# Allegro board FEE5_10_30.brd (continued)
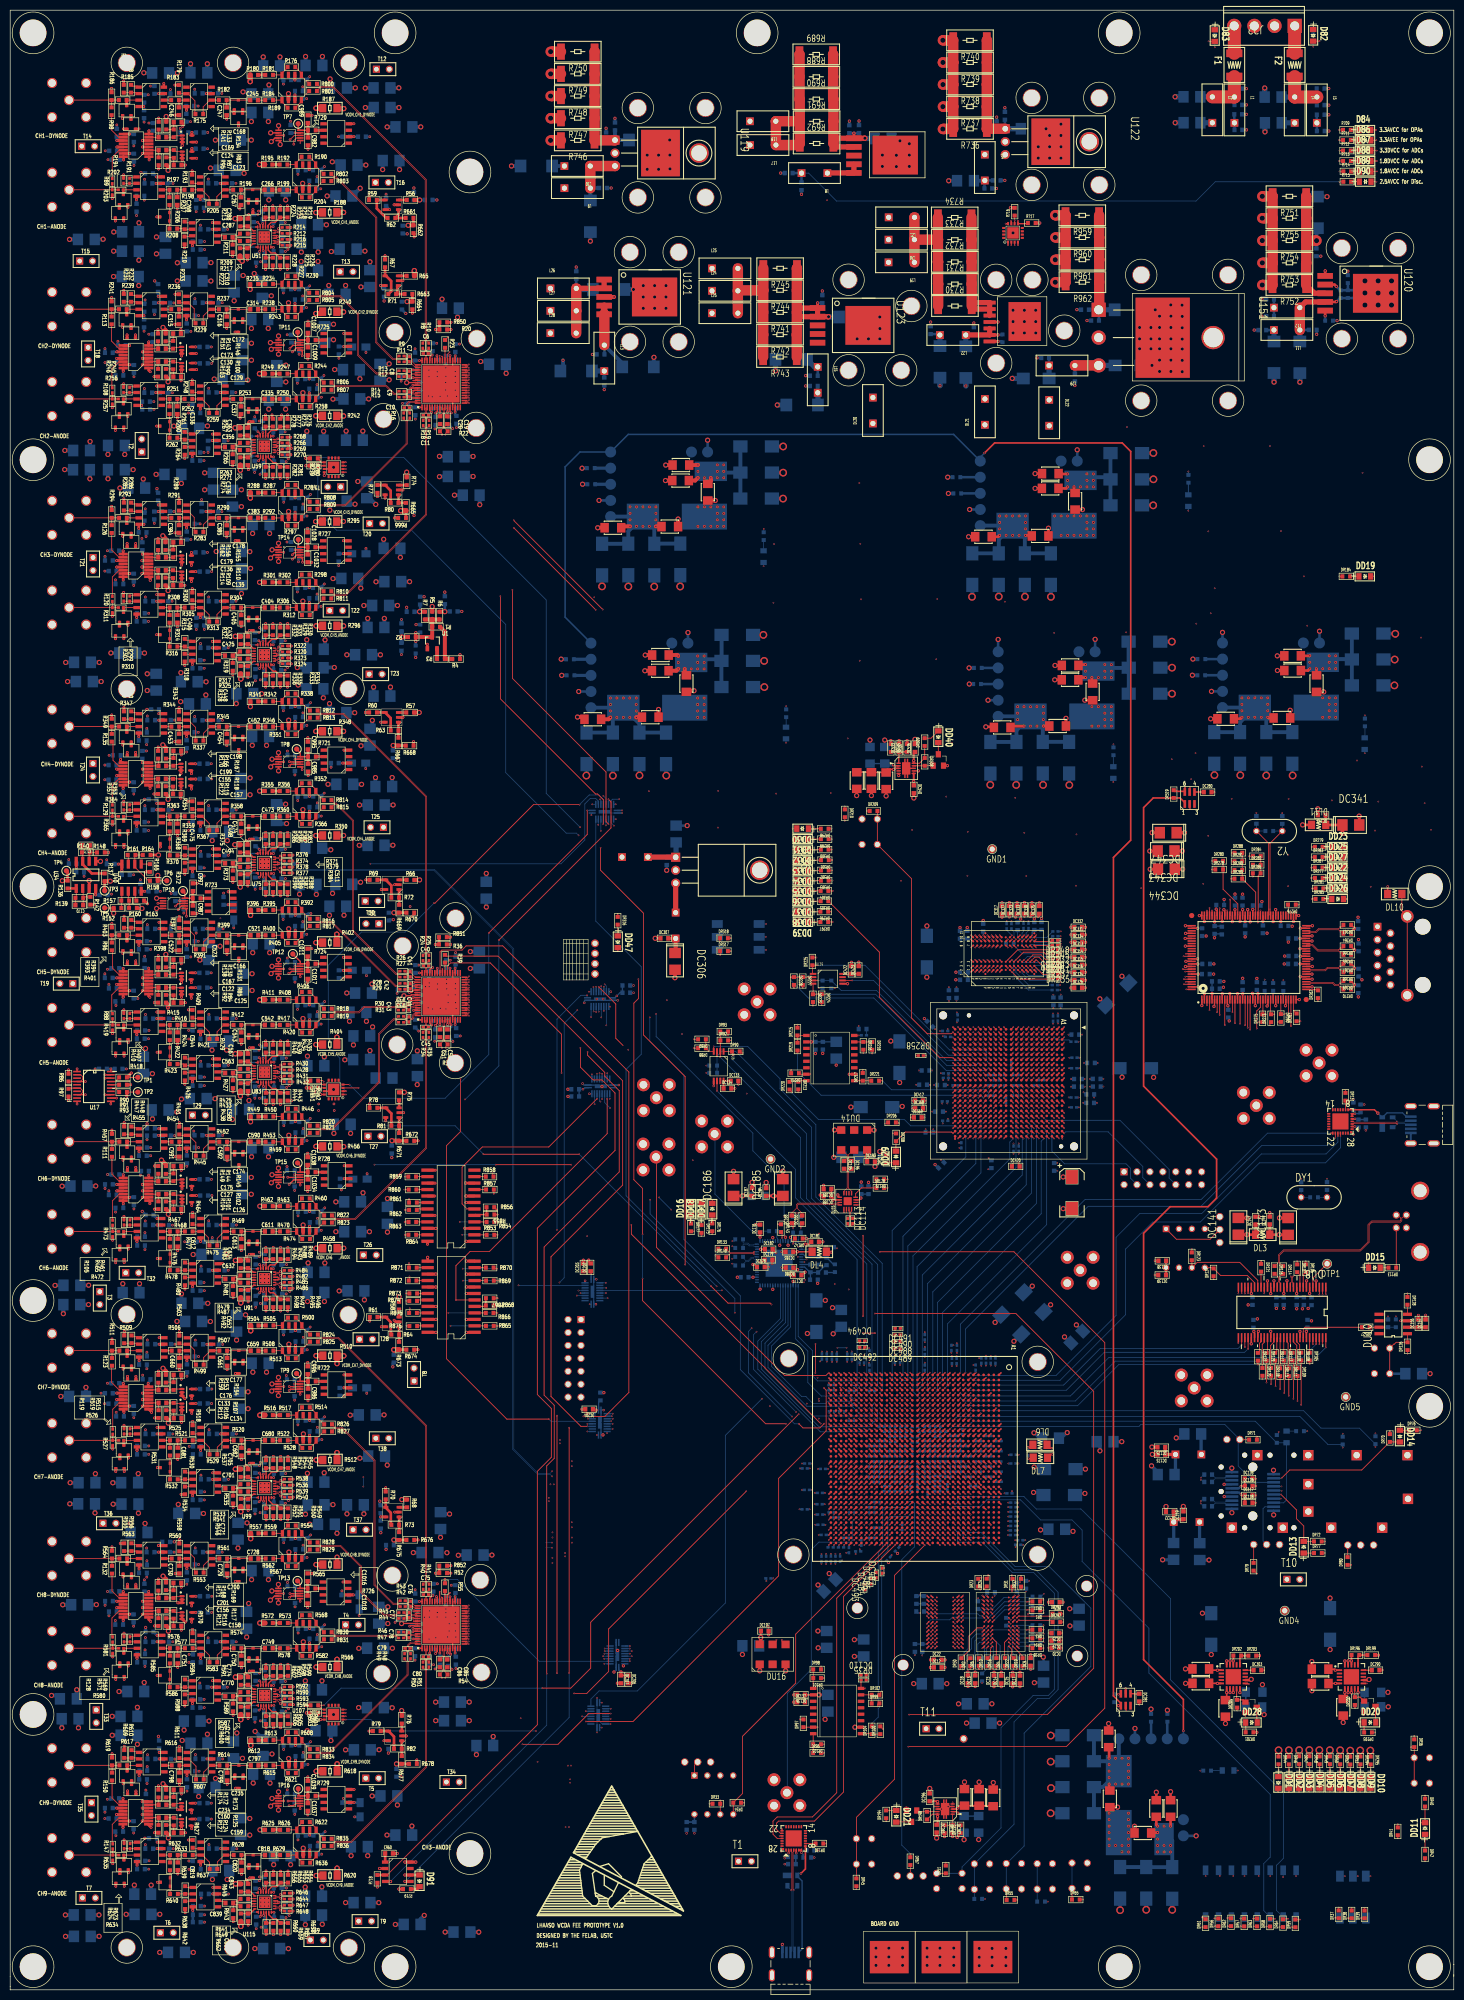
[diagram p0: board, top side]
## Nets (continued)
NC1: DU4.AN1(IO_L1P_T0_32)
NC1_2426805: DU4.H24(IO_L6N_T0_VREF_16)
NC2: DU4.L34(IO_L24N_T3_16)
NC30: DU4.T32(IO_L19P_T3_A22_15)
NC43: DU4.T30(IO_L14N_T2_SRCC_15)
OUT0+: DR132.2 DU13.56(OUT0)
OUT0-: DU13.55(O\U\T\0\)
OUT1+: DU13.53(OUT1)
OUT1-: DU13.52(O\U\T\1\)
OUT2+: DU13.51(OUT2)
OUT2-: DU13.50(O\U\T\2\)
OUT3+: DR164.2 DU13.48(OUT3)
OUT3-: DR170.2 DU13.47(O\U\T\3\)
OUT4+: DR133.2 DU13.45(OUT4)
OUT4-: DR140.2 DU13.44(O\U\T\4\)
OUT5+: DR145.2 DU13.43(OUT5)
OUT5-: DR151.2 DU13.42(O\U\T\5\)
OUT6+: DU13.33(OUT6)
OUT6-: DU13.34(O\U\T\6\)
OUT7+: DU13.36(OUT7)
OUT7-: DU13.37(O\U\T\7\)
OUT8+: DU13.38(OUT8)
OUT8-: DU13.39(O\U\T\8\)
OUT9+: DU13.25(OUT9)
OUT9-: DU13.26(O\U\T\9\)
OUT10+: DU13.28(OUT10)
OUT10-: DU13.29(O\U\T\10\)
OUT11+: DU13.30(OUT11)
OUT11-: DU13.31(O\U\T\11\)
PB_C: DR65.1 DSW9.1 DSW9.2 DU4.L29(IO_L18P_T2_16)
PB_E: DR54.1 DSW5.1 DSW5.2 DU4.G31(IO_L17N_T2_16)
PB_N: DR55.1 DSW6.1 DSW6.2 DU4.H31(IO_L17P_T2_16)
PB_S: DR60.1 DSW8.1 DSW8.2 DU4.J31(IO_L16N_T2_16)
PB_W: DR51.1 DSW4.1 DSW4.2 DU4.K31(IO_L16P_T2_16)
PDWN_ADC1: DU17.16(1Y1) U2.41(PDWN)
PDWN_ADC1_BUF: DU4.AA24(IO_L23P_T3_A03_D19_14) DU17.4(1A1)
PDWN_ADC2: DU20.18(1Y0) U3.41(PDWN)
PDWN_ADC2_BUF: DU4.W29(IO_L4N_T0_D05_14) DU20.2(1A0)
PDWN_ADC3: DU24.7(2Y1) U4.41(PDWN)
PDWN_ADC3_BUF: DU4.Y32(IO_L10P_T1_D14_14) DU24.13(2A1)
PHY_AVDD0: DC341.1 DC342.1 DC356.2 DC357.2 DC360.2 DC365.2 DL11.1 DU41.44(AVDD_44) DU41.49(AVDD_49) DU41.52(AVDD_52) DU41.59(AVDD_59) DU41.64(AVDD_64) DU41.104(AVDD_104) DU42.9(VCC)
PHY_COL: DU37.A2(IO_L3N_0 _A2) DU41.114(COL)
PHY_COMA: DR261.2 DU41.37(COMA)
PHY_CONFIG0: DR278.2 DR280.2 DU41.88(CONFIG0)
PHY_CONFIG4: DR288.2 DR289.2 DR290.2 DR291.2 DU41.81(CONFIG4)
PHY_CONFIG5: DR282.2 DR284.2 DR286.2 DU41.80(CONFIG5)
PHY_CRS: DU37.A3(IO_L5N_0 _A3) DU41.115(CRS)
PHY_INT: DR260.1 DU37.D19(IO_L62N_VREF_0 _D19) DU41.32(INT_B)
PHY_LED_DUPLEX: DD22.2(CATHODE) DR289.1 DU41.95(LED_DPLX)
PHY_LED_LINK10: DD23.2(CATHODE) DR284.1 DU41.100(LED_LINK10)
PHY_LED_LINK100: DD25.2(CATHODE) DU41.99(LED_LINK100)
PHY_LED_LINK1000: DD27.2(CATHODE) DR290.1 DU41.98(LED_LINK1000)
PHY_LED_RX: DD26.2(CATHODE) DU41.79(CONFIG6) DU41.92(LED_RX)
PHY_LED_TX: DD24.2(CATHODE) DU41.91(LED_TX)
PHY_MDC: DU37.G16(IO_L51P_0 _G16) DU41.35(MDC)
PHY_MDIO: DR259.1 DU37.H14(IO_L49P_0 _H14) DU41.33(MDIO)
PHY_MDIP0_N: DR269.2 DU41.42(MDI0_N) DU42.2(TD0_N)
PHY_MDIP0_P: DR270.2 DU41.41(MDI0_P) DU42.1(TD0_P)
PHY_MDIP1_N: DR267.2 DU41.47(MDI1_N) DU42.6(TD1_N)
PHY_MDIP1_P: DR268.2 DU41.46(MDI1_P) DU42.3(TD1_P)
PHY_MDIP2_N: DR266.2 DU41.57(MDI2_N) DU42.5(TD2_N)
PHY_MDIP2_P: DR265.2 DU41.56(MDI2_P) DU42.4(TD2_P)
PHY_MDIP3_N: DR263.2 DU41.62(MDI3_N) DU42.8(TD3_N)
PHY_MDIP3_P: DR264.2 DU41.61(MDI3_P) DU42.7(TD3_P)
PHY_RESET: DU37.A20(IO_L65N_SCP2_0 _A20) DU41.36(RESET_B)
PHY_RSET: DR262.2 DU41.39(RESET)
PHY_RXCLK: DU37.G9(IO_L34P_GCLK19_0 _G9) DU41.7(RXCLK)
PHY_RXCTL_RXDV: DU37.F9(IO_L32N_0 _F9) DU41.4(RXDV)
PHY_RXD0: DU37.F8(IO_L7N_0 _F8) DU41.3(RXD0)
PHY_RXD1: DU37.F7(IO_L7P_0 _F7) DU41.128(RXD1)
PHY_RXD2: DU37.E6(IO_L4N_0 _E6) DU41.126(RXD2)
PHY_RXD3: DU37.C5(IO_L8P_0 _C5) DU41.125(RXD3)
PHY_RXD4: DU37.A5(IO_L8N_VREF_0 _A5) DU41.124(RXD4)
PHY_RXD5: DU37.C4(IO_L6P_0 _C4) DU41.123(RXD5)
PHY_RXD6: DU37.A4(IO_L6N_0 _A4) DU41.121(RXD6)
PHY_RXD7: DU37.B3(IO_L5P_0 _B3) DU41.120(RXD7)
PHY_RXER: DU37.F10(IO_L34N_GCLK18_0 _F10) DU41.8(RXER)
PHY_TXC_GTXCLK: DU37.H13(IO_L38P_0 _H13) DU41.14(GTXCLK)
PHY_TXCLK: DU37.H12(IO_L35P_GCLK17_0 _H12) DU41.10(TXCLK)
PHY_TXCTL_TXEN: DU37.G13(IO_L38N_VREF_0 _G13) DU41.16(TXEN)
PHY_TXD0: DU37.F14(IO_L36P_GCLK15_0 _F14) DU41.18(TXD0)
PHY_TXD1: DU37.F15(IO_L36N_GCLK14_0 _F15) DU41.19(TXD1)
PHY_TXD2: DU37.E16(IO_L37P_GCLK13_0 _E16) DU41.20(TXD2)
PHY_TXD3: DU37.D17(IO_L66P_SCP1_0 _D17) DU41.24(TXD3)
PHY_TXD4: DR275.2 DU37.C17(IO_L50P_0 _C17) DU41.25(TXD4)
PHY_TXD5: DR274.2 DU37.A17(IO_L50N_0 _A17) DU41.26(TXD5)
PHY_TXD6: DR273.2 DU37.A19(IO_L64N_SCP4_0 _A19) DU41.28(TXD6)
PHY_TXD7: DR272.2 DU37.C19(IO_L64P_SCP5_0 _C19) DU41.29(TXD7)
PHY_TXER: DU37.G11(IO_L35N_GCLK16_0 _G11) DU41.13(TXER)
PULSE_ANODE_CH1: C124.2 R95.2 U18.3(INR)
PULSE_ANODE_CH2: C130.1 R103.2 U22.3(INR)
PULSE_ANODE_CH3: C136.1 R114.2 U28.3(INR)
PULSE_ANODE_CH4: C155.1 R122.2 U30.3(INR)
PULSE_ANODE_CH5: C122.1 R92.2 U14.3(INR)
PULSE_ANODE_CH6: C127.1 R104.2 U23.3(INR)
PULSE_ANODE_CH7: C133.1 R112.2 U26.3(INR)
PULSE_ANODE_CH8: C156.1 R121.2 U31.3(INR)
PULSE_ANODE_CH9: C160.1 R127.2 U36.3(INR)
PULSE_DYNODE_CH1: C169.2 R141.2 U18.7(INB)
PULSE_DYNODE_CH2: C173.1 R151.2 U22.7(INB)
PULSE_DYNODE_CH3: C179.1 R162.2 U28.7(INB)
PULSE_DYNODE_CH4: C199.1 R170.2 U30.7(INB)
PULSE_DYNODE_CH5: C167.1 R138.2 U14.7(INB)
PULSE_DYNODE_CH6: C175.1 R149.2 U23.7(INB)
PULSE_DYNODE_CH7: C176.1 R159.2 U26.7(INB)
PULSE_DYNODE_CH8: C201.1 R171.2 U31.7(INB)
PULSE_DYNODE_CH9: C234.1 R174.2 U36.7(INB)
REFB_ADC1: C13.1 C14.1 C15.2 U2.57(REFB)
REFB_ADC2: C47.1 C48.1 C49.2 U3.57(REFB)
REFB_ADC3: C82.1 C83.1 C84.2 U4.57(REFB)
REFIN+: DC166.1 DC167.2 DR135.2 DU13.64(REFIN)
REFIN-: DC168.1 DC169.2 DR135.1 DU13.63(R\E\F\I\N\)
REFMON: DD18.2(CATHODE) DU13.2(REFMON)
REFT_ADC1: C12.2 C13.2 C14.2 U2.58(REFT)
REFT_ADC2: C46.2 C47.2 C48.2 U3.58(REFT)
REFT_ADC3: C81.2 C82.2 C83.2 U4.58(REFT)
RX_+3.3VP_0: DC117.1 DC118.1 DC121.1 DL1.1 DU5.15(VCCR)
S6_A7_CLK: DU4.W5(IO_L12P_T1_MRCC_34) DU37.T19(IO_L73P_1 _T19)
S6_CCLK: DR212.2 DU37.Y20(IO_L1P_CCLK_2 _Y20) DU38.16(C)
S6_CLK_125M_N: DR222.2 DU15.6(/Q3) DU37.AB12(IO_L31N_GCLK30_D15_2 _AB12)
S6_CLK_125M_P: DR222.1 DU15.5(Q3) DU37.AA12(IO_L31P_GCLK31_D14_2 _AA12)
S6_DDR3_ADDR0: DR252.1 DU37.K2(IO_L47P_M3A0_3 _K2) DU40.N3(A0)
S6_DDR3_ADDR1: DR241.1 DU37.K1(IO_L47N_M3A1_3 _K1) DU40.P7(A1)
S6_DDR3_ADDR2: DR251.1 DU37.K5(IO_L49N_M3A2_3 _K5) DU40.P3(A2)
S6_DDR3_ADDR3: DR240.1 DU37.M6(IO_L45P_M3A3_3 _M6) DU40.N2(A3)
S6_DDR3_ADDR4: DR250.1 DU37.H3(IO_L51N_M3A4_3 _H3) DU40.P8(A4)
S6_DDR3_ADDR5: DR239.1 DU37.M3(IO_L44P_GCLK21_M3A5_3 _M3) DU40.P2(A5)
S6_DDR3_ADDR6: DR249.1 DU37.L4(IO_L44N_GCLK20_M3A6_3 _L4) DU40.R8(A6)
S6_DDR3_ADDR7: DR238.1 DU37.K6(IO_L49P_M3A7_3 _K6) DU40.R2(A7)
S6_DDR3_ADDR8: DR248.1 DU37.G3(IO_L52P_M3A8_3 _G3) DU40.T8(A8)
S6_DDR3_ADDR9: DR237.1 DU37.G1(IO_L52N_M3A9_3 _G1) DU40.R3(A9)
S6_DDR3_ADDR10: DR247.1 DU37.J4(IO_L51P_M3A10_3 _J4) DU40.L7(A10)
S6_DDR3_ADDR11: DR236.1 DU37.E1(IO_L54N_M3A11_3 _E1) DU40.R7(A11)
S6_DDR3_ADDR12: DR246.1 DU37.F1(IO_L53N_M3A12_3 _F1) DU40.N7(A12)
S6_DDR3_ADDR13: DR235.1 DU37.J6(IO_L55P_M3A13_3 _J6) DU40.T3(A13)
S6_DDR3_ADDR14: DR245.1 DU37.H5(IO_L55N_M3A14_3 _H5) DU40.T7(A14)
S6_DDR3_BA0: DR234.1 DU37.J3(IO_L48P_M3BA0_3 _J3) DU40.M2(BA0)
S6_DDR3_BA1: DR244.1 DU37.J1(IO_L48N_M3BA1_3 _J1) DU40.N8(BA1)
S6_DDR3_BA2: DR233.1 DU37.H1(IO_L50N_M3BA2_3 _H1) DU40.M3(BA2)
S6_DDR3_CAS_N: DR242.1 DU37.M4(IO_L43N_GCLK22_IRDY2_M3CASN_3 _) DU40.K3(CAS_B)
S6_DDR3_CKE: DR254.2 DU37.F2(IO_L53P_M3CKE_3 _F2) DU40.K9(CKE)
S6_DDR3_CLK_N: DR253.2 DU37.K3(IO_L46N_M3CLKN_3 _K3) DU40.K7(CK_N)
S6_DDR3_CLK_P: DR253.1 DU37.K4(IO_L46P_M3CLK_3 _K4) DU40.J7(CK_P)
S6_DDR3_DQ0: DU37.R3(IO_L37P_M3DQ0_3 _R3) DU40.E3(DQ0)
S6_DDR3_DQ1: DU37.M1(IO_L40N_M3DQ7_3 _M1) DU40.F7(DQ1)
S6_DDR3_DQ2: DU37.P1(IO_L38N_M3DQ3_3 _P1) DU40.F2(DQ2)
S6_DDR3_DQ3: DU37.R1(IO_L37N_M3DQ1_3 _R1) DU40.F8(DQ3)
S6_DDR3_DQ4: DU37.M2(IO_L40P_M3DQ6_3 _M2) DU40.H3(DQ4)
S6_DDR3_DQ5: DU37.L1(IO_L41N_GCLK26_M3DQ5_3 _L1) DU40.H8(DQ5)
S6_DDR3_DQ6: DU37.P2(IO_L38P_M3DQ2_3 _P2) DU40.G2(DQ6)
S6_DDR3_DQ7: DU37.L3(IO_L41P_GCLK27_M3DQ4_3 _L3) DU40.H7(DQ7)
S6_DDR3_DQ8: DU37.W1(IO_L33N_M3DQ13_3 _W1) DU40.D7(DQ8)
S6_DDR3_DQ9: DU37.T2(IO_L36P_M3DQ8_3 _T2) DU40.C3(DQ9)
S6_DDR3_DQ10: DU37.Y2(IO_L32P_M3DQ14_3 _Y2) DU40.C8(DQ10)
S6_DDR3_DQ11: DU37.U1(IO_L35N_M3DQ11_3 _U1) DU40.C2(DQ11)
S6_DDR3_DQ12: DU37.W3(IO_L33P_M3DQ12_3 _W3) DU40.A7(DQ12)
S6_DDR3_DQ13: DU37.U3(IO_L35P_M3DQ10_3 _U3) DU40.A2(DQ13)
S6_DDR3_DQ14: DU37.Y1(IO_L32N_M3DQ15_3 _Y1) DU40.B8(DQ14)
S6_DDR3_DQ15: DU37.T1(IO_L36N_M3DQ9_3 _T1) DU40.A3(DQ15)
S6_DDR3_DQS_N: DU37.N1(IO_L39N_M3LDQSN_3 _N1) DU40.G3(LDQS_N)
S6_DDR3_DQS_P: DU37.N3(IO_L39P_M3LDQS_3 _N3) DU40.F3(LDQS_P)
S6_DDR3_LDM: DU37.N4(IO_L42N_GCLK24_M3LDM_3 _N4) DU40.E7(LDM)
S6_DDR3_ODT: DR256.2 DU37.L6(IO_L45N_M3ODT_3 _L6) DU40.K1(ODT)
S6_DDR3_RAS_N: DR232.1 DU37.M5(IO_L43P_GCLK23_M3RASN_3 _M5) DU40.J3(RAS_B)
S6_DDR3_RST: DR255.2 DU37.E3(IO_L54P_M3RESET_3 _E3) DU40.T2(RESET_B)
S6_DDR3_RZQ: DR258.1 DU37.R7(IO_L1P_3 _R7)
S6_DDR3_UDM: DU37.P3(IO_L42P_GCLK25_TRDY2_M3UDM_3 _P) DU40.D3(UDM)
S6_DDR3_UDQS_N: DU37.V1(IO_L34N_M3UDQSN_3 _V1) DU40.B7(UDQS_N)
S6_DDR3_UDQS_P: DU37.V2(IO_L34P_M3UDQS_3 _V2) DU40.C7(UDQS_P)
S6_DDR3_WE_N: DR243.1 DU37.H2(IO_L50P_M3WE_3 _H2) DU40.L3(WE_B)
S6_DDRS_CS_B: DR257.2 DU40.L2(CS_B)
S6_DDRS_ZQ: DR231.2 DU40.L8(ZQ)
S6_DONE: DD29.2(ANODE) DR208.2 DU37.AB21(DONE_2 _AB21)
S6_FLASH_D0: DR218.2 DU37.AB20(IO_L3N_MOSI_CSI_B_MISO0_2 _AB20)
S6_FLASH_D1: DR220.1 DU37.AA20(IO_L3P_D0_DIN_MISO_MISO1_2 _AA2)
S6_FLASH_D2: DR221.2 DU37.R13(IO_L12P_D1_MISO2_2 _R13)
S6_FLASH_D3: DR219.1 DU37.T14(IO_L12N_D2_MISO3_2 _T14)
S6_INIT_B: DR210.2 DU37.Y4(IO_L65P_INIT_B_2 _Y4)
S6_M0: DR317.1 DSW13.1 DU37.AA21(IO_L1N_M0_CMPMISO_2 _AA21)
S6_M1: DR318.1 DSW13.2 DU37.Y19(IO_L13P_M1_2 _Y19)
S6_PROG_B: DR209.2 DSW12.3 DSW12.4 DU37.AB2(PROGRAM_B_2 _AB2)
S6_QSPI_IC_CS_B: DR214.1 DU37.AA3(IO_L65N_CSO_B_2 _AA3) DU38.7(S_B)
S6_SITCP_EEPROM_CS: DR225.1 DU37.R8(IO_L59N_2 _R8) DU39.1(CS)
S6_SITCP_EEPROM_DI: DR229.1 DR230.1 DU37.W8(IO_L58N_2 _W8) DU39.3(DI)
S6_SITCP_EEPROM_DO: DR223.1 DR224.1 DU37.U8(IO_L57N_2 _U8) DU39.4(DO)
S6_SITCP_EEPROM_ORG: DU37.V7(IO_L58P_2 _V7) DU39.6(ORG)
S6_SITCP_EEPROM_SK: DR227.1 DR228.1 DU37.R9(IO_L59P_2 _R9) DU39.2(SK)
S6_TCK: DJ14.6 DU37.A21(TCK _A21)
S6_TDI: DJ14.10 DU37.E18(TDI _E18)
S6_TDO: DJ14.8 DU37.G17(TDO _G17)
S6_TMS: DJ14.4 DU37.D20(TMS _D20)
SCLK_ADC1: DU17.12(1Y3) U2.38(SCLK/DTP)
SCLK_ADC1_BUF: DU4.V24(IO_0_14) DU17.8(1A3)
SCLK_ADC2: DU20.12(1Y3) U3.38(SCLK/DTP)
SCLK_ADC2_BUF: DU4.AC28(IO_L19P_T3_A10_D26_14) DU20.8(1A3)
SCLK_ADC3: DU24.18(1Y0) U4.38(SCLK/DTP)
SCLK_ADC3_BUF: DU4.AC31(IO_L17P_T2_A14_D30_14) DU24.2(1A0)
SCLK_DAC1: R864.2 U128.7(SCLK)
SCLK_DAC1_INTERFACE_TO_AFE: DU17.3(2Y3)
SCLK_DAC2: R863.2 U136.7(SCLK)
SCLK_DAC3: R862.2 U142.7(SCLK)
SCLK_DAC4: R861.2 U129.7(SCLK)
SCLK_DAC5: R860.2 U137.7(SCLK)
SCLK_DAC6: R859.2 U143.7(SCLK)
SCLK_DAC7: R858.1 U130.7(SCLK)
SCLK_DAC8: R857.1 U138.7(SCLK)
SCLK_DAC9: R854.1 U144.7(SCLK)
SCLK_DAC_BUF: DU17.17(2A3) U148.6(A)
SCLK_DAC_BUF_A7_FPGA: DU4.AB24(IO_L24P_T3_A01_D17_14)
SCLK_DAC_CALIB: R853.1 U131.7(SCLK)
SDIO_ADC1: DU17.18(1Y0) R23.1
SDIO_ADC1_BUF: DU4.AB25(IO_L24N_T3_A00_D16_14) DU17.2(1A0)
SDIO_ADC2: DU20.14(1Y2) R39.1
SDIO_ADC2_BUF: DU4.AA28(IO_L20N_T3_A07_D23_14) DU20.6(1A2)
SDIO_ADC3: DU24.3(2Y3) R55.1
SDIO_ADC3_BUF: DU4.V33(IO_L9P_T1_DQS_14) DU24.17(2A3)
SENSE_ADC1: R20.1 R850.1 U2.55(SENSE)
SENSE_ADC2: R36.1 R851.1 U3.55(SENSE)
SENSE_ADC3: R52.1 R852.1 U4.55(SENSE)
SFP_RD_N: DC131.1 DU5.12(RD_N)
SFP_RD_P: DC129.2 DU5.13(RD_P)
SFP_RS0: DJ6.2 DU5.7(RS0)
SFP_RS1: DJ5.2 DU5.9(RS1)
SFP_TD_N: DC132.2 DU5.19(TD_N)
SFP_TD_P: DC130.2 DU5.18(TD_P)
SFP_TX_DETECT: DD13.2(CATHODE) DR72.1 DU5.6(MOD_ABS)
SFP_TX_FAULT: DD14.2(CATHODE) DR70.1 DU5.2(TX_FAULT)
SITCP_EEPROM_CS: DR90.1 DU4.AF4(IO_L7P_T1_33) DU6.1(CS)
SITCP_EEPROM_DI: DR94.1 DR95.1 DU4.AD4(IO_L8N_T1_33) DU6.3(DI)
SITCP_EEPROM_DO: DR88.1 DR89.1 DU4.AD5(IO_L8P_T1_33) DU6.4(DO)
SITCP_EEPROM_ORG: DU4.AH4(IO_L9P_T1_DQS_33) DU6.6(ORG)
SITCP_EEPROM_SK: DR92.1 DR93.1 DU4.AG4(IO_L7N_T1_33) DU6.2(SK)
STATUS: DD16.2(CATHODE) DU13.6(STATUS)
SW1: DR59.2 DSW7.1(A1) DU4.H26(IO_L8P_T1_16)
SW2: DR64.2 DSW7.2(A2) DU4.K26(IO_L10P_T1_16)
SW3: DR58.2 DSW7.3(A3) DU4.L27(IO_L9P_T1_DQS_16)
SW4: DR63.2 DSW7.4(A4) DU4.G26(IO_L8N_T1_16)
SW5: DR57.2 DSW7.5(A5) DU4.G27(IO_L7N_T1_16)
SW6: DR62.2 DSW7.6(A6) DU4.H27(IO_L7P_T1_16)
SW7: DR56.2 DSW7.7(A7) DU4.J26(IO_L10N_T1_16)
SW8: DR61.2 DSW7.8(A8) DU4.K27(IO_L9N_T1_DQS_16)
SY8933_EN: DR178.1 DR179.2 DU15.8(EN)
SYNC_DAC_CALIB: U131.6(\S\Y\N\C\)
T_CS: DU21.15(2A2) U125.4(\\C\S\)
T_CS1: DU45.8(1A3) U152.4(\\C\S\)
T_CS1_BUF: DU4.AD11(IO_L22P_T3_33) DU45.12(1Y3)
T_CS2: DU45.11(2A0) U153.4(\\C\S\)
T_CS2_BUF: DU4.AF10(IO_25_33) DU45.9(2Y0)
T_CS3: DU46.11(2A0) U154.4(\\C\S\)
T_CS3_BUF: DU4.AG6(IO_L11P_T1_SRCC_33) DU46.9(2Y0)
T_CS_BUF: DU4.AH3(IO_L6P_T0_33) DU21.5(2Y2)
T_CT: DU4.AJ1(IO_L3N_T0_DQS_33) R716.1 U125.10(CT)
T_CT1: DU4.AE11(IO_L22N_T3_33) R1000.1 U152.10(CT)
T_CT2: DU4.AC11(IO_0_33) R1003.1 U153.10(CT)
T_CT3: DU4.AF7(IO_L14P_T2_SRCC_33) R1005.1 U154.10(CT)
T_DIN: DU44.8(1A3) U125.3(DIN)
T_DIN1: DU45.2(1A0) U152.3(DIN)
T_DIN1_BUF: DU4.AG12(IO_L20N_T3_33) DU45.18(1Y0)
T_DIN2: DU45.17(2A3) U153.3(DIN)
T_DIN2_BUF: DU4.AH11(IO_L23N_T3_33) DU45.3(2Y3)
T_DIN3: DU46.17(2A3) U154.3(DIN)
T_DIN3_BUF: DU4.AJ4(IO_L9N_T1_DQS_33) DU46.3(2Y3)
T_DIN_BUF: DU4.AH1(IO_L1N_T0_33) DU44.12(1Y3)
T_DOUT: DU44.2(1A0) U125.2(DOUT)
T_DOUT1: DU45.4(1A1) U152.2(DOUT)
T_DOUT1_BUF: DU4.AG10(IO_L21P_T3_DQS_33) DU45.16(1Y1)
T_DOUT2: DU45.15(2A2) U153.2(DOUT)
T_DOUT2_BUF: DU4.AD10(IO_L24P_T3_33) DU45.5(2Y2)
T_DOUT3: DU46.15(2A2) U154.2(DOUT)
T_DOUT3_BUF: DU4.AD3(IO_L10P_T1_33) DU46.5(2Y2)
T_DOUT_BUF: DU4.AE2(IO_L4P_T0_33) DU44.18(1Y0)
T_H_DATA: DU44.6(1A2) U127.2(DATA)
T_H_DATA_BUF: DU4.AG1(IO_L1P_T0_33) DU44.14(1Y2)
T_INT: DU4.AD1(IO_L2P_T0_33) R717.1 U125.9(INT)
T_INT1: DU4.AG11(IO_L23P_T3_33) R1001.1 U152.9(INT)
T_INT2: DU4.AJ3(IO_L6N_T0_VREF_33) R1002.1 U153.9(INT)
T_INT3: DU4.AG7(IO_L14N_T2_SRCC_33) R1004.1 U154.9(INT)
T_SCLK: DU44.4(1A1) U125.1(SCLK)
T_SCLK1: DU45.6(1A2) U152.1(SCLK)
T_SCLK1_BUF: DU4.AG9(IO_L21N_T3_DQS_33) DU45.14(1Y2)
T_SCLK2: DU45.13(2A1) U153.1(SCLK)
T_SCLK2_BUF: DU4.AE10(IO_L24N_T3_33) DU45.7(2Y1)
T_SCLK3: DU46.13(2A1) U154.1(SCLK)
T_SCLK3_BUF: DU4.AE3(IO_L10N_T1_33) DU46.7(2Y1)
T_SCLK_BUF: DU4.AE1(IO_L2N_T0_33) DU44.16(1Y1)
TDCIN_HIGH_N_CH1: DU4.AP4(IO_L7N_T1_32) R201.1 R216.1 U51.19(QB-)
TDCIN_HIGH_N_CH2: DU4.AP9(IO_L18N_T2_32) R255.1 R270.1 U59.19(QB-)
TDCIN_HIGH_N_CH3: DU4.AK10(IO_L19N_T3_VREF_32) R307.1 R324.1 U67.19(QB-)
TDCIN_HIGH_N_CH4: DU4.AP28(IO_L17N_T2_12) R362.1 R378.1 U75.19(QB-)
TDCIN_HIGH_N_CH5: DU4.AK28(IO_L14N_T2_SRCC_12) R414.1 R432.1 U83.19(QB-)
TDCIN_HIGH_N_CH6: DU4.AM34(IO_L1N_T0_12) R466.1 R486.1 U91.19(QB-)
TDCIN_HIGH_N_CH7: DU4.AF27(IO_L18N_T2_13) R524.1 R540.1 U99.19(QB-)
TDCIN_HIGH_N_CH8: DU4.AF33(IO_L4N_T0_13) R579.1 R594.1 U107.19(QB-)
TDCIN_HIGH_N_CH9: DU4.AH34(IO_L3N_T0_DQS_13) R631.1 R648.1 U115.19(QB-)
TDCIN_HIGH_P_CH1: DU4.AN4(IO_L7P_T1_32) R201.2 R215.2 U51.20(QB+)
TDCIN_HIGH_P_CH2: DU4.AN9(IO_L18P_T2_32) R255.2 R269.2 U59.20(QB+)
TDCIN_HIGH_P_CH3: DU4.AJ10(IO_L19P_T3_32) R307.2 R323.2 U67.20(QB+)
TDCIN_HIGH_P_CH4: DU4.AN28(IO_L17P_T2_12) R362.2 R377.2 U75.20(QB+)
TDCIN_HIGH_P_CH5: DU4.AJ28(IO_L14P_T2_SRCC_12) R414.2 R431.2 U83.20(QB+)
TDCIN_HIGH_P_CH6: DU4.AL34(IO_L1P_T0_12) R466.2 R485.2 U91.20(QB+)
TDCIN_HIGH_P_CH7: DU4.AE27(IO_L18P_T2_13) R524.2 R539.2 U99.20(QB+)
TDCIN_HIGH_P_CH8: DU4.AE33(IO_L4P_T0_13) R579.2 R593.2 U107.20(QB+)
TDCIN_HIGH_P_CH9: DU4.AH33(IO_L3P_T0_DQS_13) R631.2 R647.2 U115.20(QB+)
TDCIN_LOW_N_CH1: DU4.AP3(IO_L5N_T0_32) R200.1 R214.1 U51.24(QA-)
TDCIN_LOW_N_CH2: DU4.AK5(IO_L8N_T1_32) R254.1 R268.1 U59.24(QA-)
TDCIN_LOW_N_CH3: DU4.AM9(IO_L21N_T3_DQS_32) R309.1 R322.1 U67.24(QA-)
TDCIN_LOW_N_CH4: DU4.AP34(IO_L3N_T0_DQS_12) R361.1 R376.1 U75.24(QA-)
TDCIN_LOW_N_CH5: DU4.AL33(IO_L4N_T0_12) R413.1 R430.1 U83.24(QA-)
TDCIN_LOW_N_CH6: DU4.AN29(IO_L16N_T2_12) R471.1 R484.1 U91.24(QA-)
TDCIN_LOW_N_CH7: DU4.AF28(IO_L14N_T2_SRCC_13) R523.1 R538.1 U99.24(QA-)
TDCIN_LOW_N_CH8: DU4.AE26(IO_L15N_T2_DQS_13) R575.1 R592.1 U107.24(QA-)
TDCIN_LOW_N_CH9: DU4.AE31(IO_L7N_T1_13) R630.1 R646.1 U115.24(QA-)
TDCIN_LOW_P_CH1: DU4.AN3(IO_L5P_T0_32) R200.2 R212.2 U51.23(QA+)
TDCIN_LOW_P_CH2: DU4.AJ5(IO_L8P_T1_32) R254.2 R266.2 U59.23(QA+)
TDCIN_LOW_P_CH3: DU4.AL9(IO_L21P_T3_DQS_32) R309.2 R320.2 U67.23(QA+)
TDCIN_LOW_P_CH4: DU4.AN34(IO_L3P_T0_DQS_12) R361.2 R374.2 U75.23(QA+)
TDCIN_LOW_P_CH5: DU4.AK33(IO_L4P_T0_12) R413.2 R428.2 U83.23(QA+)
TDCIN_LOW_P_CH6: DU4.AM29(IO_L16P_T2_12) R471.2 R482.2 U91.23(QA+)
TDCIN_LOW_P_CH7: DU4.AE28(IO_L14P_T2_SRCC_13) R523.2 R536.2 U99.23(QA+)
TDCIN_LOW_P_CH8: DU4.AD26(IO_L15P_T2_DQS_13) R575.2 R590.2 U107.23(QA+)
TDCIN_LOW_P_CH9: DU4.AD31(IO_L7P_T1_13) R630.2 R644.2 U115.23(QA+)
TP1_A7_FPGA: DJ15.1(IO) DU4.L5(IO_L16P_T2_36)
TP1_S6_FPGA: DJ19.1(IO) DU37.G8(IO_L32P_0 _G8)
TP2_A7_FPGA: DJ16.1(IO) DU4.K1(IO_L21P_T3_DQS_36)
TP2_S6_FPGA: DJ20.1(IO) DU37.G15(IO_L49N_0 _G15)
TP3_A7_FPGA: DJ17.1(IO) DU4.AJ29(IO_L11P_T1_SRCC_12)
TP3_S6_FPGA: DJ21.1(IO) DU37.AB9(IO_L43N_2 _AB9)
TP4_A7_FPGA: DJ18.1(IO) DU4.AP1(IO_L1N_T0_32)
TP4_S6_FPGA: DJ22.1(IO) DU37.AB14(IO_L6N_2 _AB14)
TRACK_SEQ_2: DR319.1 DU27.10(TRACK) DU31.1(RESET)
TRACK_SEQ_3: DR320.1 DU26.10(TRACK) DU28.10(TRACK) DU29.10(TRACK) DU32.1(RESET)
TX_+3.3VP_0: DC126.1 DC127.1 DC128.1 DL2.1 DU5.16(VCCT)
USB_5V: DJ8.1 DR113.1
USB_CLK_TEST: DTP1.1(TP) DU8.5(CLKOUT)
USB_D_N_A7_USB_UART: DJ10.2(D_N) DU11.4(D-) DX1.3
USB_D_N_A7_USB_UART2: DJ11.2(D_N) DU12.4(D-) DX2.3
USB_D_P_A7_USB_UART: DJ10.3(D_P) DU11.3(D+) DX1.4
USB_D_P_A7_USB_UART2: DJ11.3(D_P) DU12.3(D+) DX2.4
USB_SCL: DR123.2 DU8.22(SCL) DU9.6(SCL)
USB_SDA: DR124.2 DU8.23(SDA) DU9.5(SDA)
VAC3V3: DC186.1 DC187.1 DC306.1 DC307.2 DL4.2 DL5.2 DL9.2 DR316.1
VACC3V3: DC143.1 DC144.1 DC146.1 DC147.1 DC148.1 DC149.1 DL3.2 DU8.10(AVCC1) DU8.14(AVCC2)
VCOM_ANODE_CH1: R188.2 U49.2(VOCM)
VCOM_ANODE_CH2: R242.2 U56.2(VOCM)
VCOM_ANODE_CH3: R296.2 U63.2(VOCM)
VCOM_ANODE_CH4: R350.2 U71.2(VOCM)
VCOM_ANODE_CH5: R404.2 U81.2(VOCM)
VCOM_ANODE_CH6: R458.2 U89.2(VOCM)
VCOM_ANODE_CH7: R512.2 U97.2(VOCM)
VCOM_ANODE_CH8: R566.2 U105.2(VOCM)
VCOM_ANODE_CH9: R620.2 U112.2(VOCM)
VCOM_CH1: C866.2 R187.1 R188.1 R661.2 R662.1
VCOM_CH2: C868.2 R240.1 R242.1 R663.2 R664.1
VCOM_CH3: C870.2 R295.1 R296.1 R665.2 R666.1
VCOM_CH4: C872.2 R348.1 R350.1 R667.2 R668.1
VCOM_CH5: C874.2 R402.1 R404.1 R669.2 R670.1
VCOM_CH6: C876.2 R456.1 R458.1 R671.2 R672.1
VCOM_CH7: C878.2 R510.1 R512.1 R673.2 R674.1
VCOM_CH8: C880.2 R565.1 R566.1 R675.2 R676.1
VCOM_CH9: C882.2 R618.1 R620.1 R677.2 R678.1
VCOM_DYNODE_CH1: R187.2 U46.2(VOCM)
VCOM_DYNODE_CH2: R240.2 U54.2(VOCM)
VCOM_DYNODE_CH3: R295.2 U62.2(VOCM)
VCOM_DYNODE_CH4: R348.2 U70.2(VOCM)
VCOM_DYNODE_CH5: R402.2 U78.2(VOCM)
VCOM_DYNODE_CH6: R456.2 U86.2(VOCM)
VCOM_DYNODE_CH7: R510.2 U94.2(VOCM)
VCOM_DYNODE_CH8: R565.2 U101.2(VOCM)
VCOM_DYNODE_CH9: R618.2 U110.2(VOCM)
VCP: DC183.1 DL4.1 DU13.4(VCP)
VREF_2V_CH1: R62.2 R661.1 U5.1(OUT)
VREF_2V_CH2: R71.2 R663.1 U8.1(OUT)
VREF_2V_CH3: R80.2 R665.1 U11.1(OUT)
VREF_2V_CH4: R63.2 R667.1 U6.1(OUT)
VREF_2V_CH5: R72.2 R669.1 U9.1(OUT)
VREF_2V_CH6: R81.2 R671.1 U12.1(OUT)
VREF_2V_CH7: R64.2 R673.1 U7.1(OUT)
VREF_2V_CH8: R73.2 R675.1 U10.1(OUT)
VREF_2V_CH9: R82.2 R677.1 U13.1(OUT)
VREF_ADC: C4.2 C5.2 R1.1 R2.2 R5.1 R6.1 R7.1 U1.1(V+)
VREF_ADC1: C110.2 C111.2 R5.2 R56.1 R65.1 R74.1 U2.56(VREFF)
VREF_ADC2: C112.2 C113.2 R6.2 R57.1 R66.1 R75.1 U3.56(VREFF)
VREF_ADC3: C114.2 C115.2 R7.2 R58.1 R68.1 R76.1 U4.56(VREFF)
VREF_DAC1: C982.2 C989.1 R720.1 TP7.1(TP) U128.10(VREF)
VREF_DAC2: C1007.2 C1009.1 R725.1 TP11.1(TP) U136.10(VREF)
VREF_DAC3: C1028.2 C1032.1 R727.1 TP14.1(TP) U142.10(VREF)
VREF_DAC4: C985.2 C995.1 R721.1 TP8.1(TP) U129.10(VREF)
VREF_DAC5: C1011.2 C1017.1 R724.1 TP12.1(TP) U137.10(VREF)
VREF_DAC6: C1034.2 C1038.1 R728.1 TP15.1(TP) U143.10(VREF)
VREF_DAC7: C986.2 C996.1 R722.1 TP9.1(TP) U130.10(VREF)
VREF_DAC8: C1016.2 C1018.1 R726.1 TP13.1(TP) U138.10(VREF)
VREF_DAC9: C1037.2 C1039.1 R729.1 TP16.1(TP) U144.10(VREF)
VREF_DAC_CALIB: C987.2 C997.1 R723.1 TP10.1(TP) U131.10(VREF)
VS_3.3: DC175.1 DC176.1 DC177.1 DC178.1 DC179.1 DC180.1 DC181.1 DC182.1 DC184.1 DC185.1 DL5.1 DR175.2 DR176.2 DR177.2 DU13.1(VS1) DU13.11(VS2) DU13.12(VS3) DU13.27(VS4) DU13.32(VS5) DU13.35(VS9) DU13.40(VS8) DU13.41(VS7) DU13.46(VS6) DU13.49(VS14) DU13.54(VS13) DU13.57(VS12) DU13.60(VS11) DU13.61(VS10)
VSTEP_ANODE_CH1: R195.1 U128.2(VOUTB)
VSTEP_ANODE_CH2: R249.1 U136.2(VOUTB)
VSTEP_ANODE_CH3: R301.1 U142.2(VOUTB)
VSTEP_ANODE_CH4: R355.1 U129.2(VOUTB)
VSTEP_ANODE_CH5: R411.1 U137.2(VOUTB)
VSTEP_ANODE_CH6: R462.1 U143.2(VOUTB)
VSTEP_ANODE_CH7: R516.1 U130.2(VOUTB)
VSTEP_ANODE_CH8: R572.1 U138.2(VOUTB)
VSTEP_ANODE_CH9: R625.1 U144.2(VOUTB)
VSTEP_DYNODE_CH1: R180.1 U128.1(VOUTA)
VSTEP_DYNODE_CH2: R235.1 U136.1(VOUTA)
VSTEP_DYNODE_CH3: R288.1 U142.1(VOUTA)
VSTEP_DYNODE_CH4: R341.1 U129.1(VOUTA)
VSTEP_DYNODE_CH5: R396.1 U137.1(VOUTA)
VSTEP_DYNODE_CH6: R449.1 U143.1(VOUTA)
VSTEP_DYNODE_CH7: R504.1 U130.1(VOUTA)
VSTEP_DYNODE_CH8: R557.1 U138.1(VOUTA)
VSTEP_DYNODE_CH9: R612.1 U144.1(VOUTA)
VTTDDR3: DC12.2 DC13.2 DC14.2 DC15.2 DC16.1 DC17.2 DC18.2 DC19.2 DC20.2 DC21.1 DC22.2 DC23.2 DC24.2 DC25.2 DC26.1 DC293.1 DC294.1 DC295.1 DR1.1 DR2.1 DR3.1 DR4.1 DR5.1 DR6.1 DR7.1 DR8.1 DR9.1 DR10.1 DR11.1 DR12.1 DR13.1 DR14.1 DR15.1 DR16.1 DR17.1 DR18.1 DR19.1 DR20.1 DR21.1 DR22.1 DU34.3(VO) DU34.5(VOSNS)
VTTDDR3_S6: DC313.1 DC314.1 DC315.1 DC316.1 DC317.1 DC323.1 DC324.1 DC325.1 DC326.1 DC327.1 DC330.1 DC331.1 DC332.1 DC333.1 DC334.1 DC537.1 DC538.1 DC539.1 DR232.2 DR233.2 DR234.2 DR235.2 DR236.2 DR237.2 DR238.2 DR239.2 DR240.2 DR241.2 DR242.2 DR243.2 DR244.2 DR245.2 DR246.2 DR247.2 DR248.2 DR249.2 DR250.2 DR251.2 DR252.2 DU43.3(VO) DU43.5(VOSNS)
VTTREF3: DC1.2 DC27.2 DC296.1 DU1.E1(VREFDQ) DU1.J8(VREFCA) DU2.E1(VREFDQ) DU2.J8(VREFCA) DU34.6(REFOUT)
VTTREF3_S6: DC312.1 DC540.1 DU37.B1(IO_L83N_VREF_3 _B1) DU37.K8(IO_L57N_VREF_3 _K8) DU37.M8(IO_L31N_VREF_3 _M8) DU37.P8(IO_L1N_VREF_3 _P8) DU40.H1(VREFDQ) DU40.M8(VREFCA) DU43.6(REFOUT)
XTAL1_25MHZ_ENET: DC339.2 DR271.2 DU41.76(XTAL1) Y2.2
XTAL2_25MHZ_ENET: DC340.2 DR271.1 DU41.75(XTAL2) Y2.1
XTALIN: DC145.2 DR125.2 DU8.12(XTALIN) DY1.1
XTALOUT: DC140.2 DR125.1 DU8.11(XTALOUT) DY1.2
N00608: DR131.2 DU12.9(R\S\T\)
N00932: C960.1 U126.1(VCORE)
N01089: DR206.2 DU37.V18(CMPCS_B_2 _V18)
N01228: DR106.2 DU8.8(RDY0/SLRD)
N01232: DR107.2 DU8.9(RDY1/SLWR)
N01260: DR116.2 DU8.16(DMINUS)
N01280: DR121.2 DU8.21(RESERVED)
N01360: DR105.1 DU8.51(WAKEUP)
N01376: DR108.1 DU8.47(PA7/FLAGD/SLCS)
N01380: DR109.1 DU8.46(PA6/PKTEND)
N01384: DR110.1 DU8.45(PA5/FIFOADR1)
N01388: DR111.1 DU8.44(PA4/FIFOADR0)
N01392: DR112.1 DU8.43(PA3/WU2)
N01396: DR115.1 DU8.42(PA2/SLOE)
N01400: DR117.1 DU8.41(PA1/INT1)
N01404: DR118.1 DU8.40(PA0/INT0)
N01419: DR119.1 DU8.38(CTL2/FLAGC)
N01423: DR120.1 DU8.37(CTL1/FLAGB)
N01427: DR122.1 DU8.36(CTL0/FLAGA)
N02745: DR130.2 DU11.9(R\S\T\)
N02838: DD15.2(CATHODE) DR113.2
N03009: R720.2 U132.6(VOUT)
N03133: DR114.2 DU8.15(DPLUS)
N04524: DJ9.2 DU9.1(A0)
N05579: R184.2 R189.1 U46.1(-IN)
N05764: DC151.1 DR127.1 DR129.1 DU10.7(/RESET)
N05923: DR128.2 DU10.4(PFI)
N05963: R176.2 R800.1 U46.5(-OUT)
N05975: R176.1 R181.2 U46.8(+IN)
N06037: R189.2 R801.1 U46.4(+OUT)
N06062: DC150.1 DR126.2 DSW10.3 DSW10.4 DU10.1(/MR)
N09117: R183.1 U44.6(OUTPUT)
N09577: D5.3 R202.2 U47.3(+IN)
N09769: R190.2 R802.1 U49.5(-OUT)
N09795: R190.1 R192.2 U49.8(+IN)
N09841: R199.2 R204.1 U49.1(-IN)
N09859: R204.2 R803.1 U49.4(+OUT)
N12014: R191.1 R194.2 U47.2(-IN)
N12034: R191.2 U47.1(FB)
N12647: R197.1 R207.1 U47.6(OUTPUT)
N12881: D9.1 D9.2 R207.2 R208.1
N13646: R210.1 U50.3(+IN)
N13666: R206.2 R208.2 U50.2(-IN)
N13674: R206.1 U50.1(FB)
N33206: C246.1 R183.2 U45.3(+IN)
N35681: C268.1 R197.2 R198.1
N37659: DR143.2 DU13.58(RSET)
N37709: DD16.1(ANODE) DR177.1
N37745: DD17.1(ANODE) DR176.1
N37807: DD18.1(ANODE) DR175.1
N38953: DR152.1 DU13.3(LD)
N39277: DR142.2 DU13.62(CPRSET)
N55637: DC173.1 DR174.1
N63627: R855.2 R856.2 U148.5(\O\E)
N64384: R864.1 U148.23(Y1)
N64861: R867.2 R868.2 U149.5(\O\E)
N65071: R876.1 U149.23(Y1)
N635951: R853.2 U148.2(Y10)
N635953: R854.2 U148.4(Y9)
N635959: R858.2 U148.11(Y7)
N647751: R870.2 U149.11(Y7)
N648411: R865.2 U149.2(Y10)
N648413: R866.2 U149.4(Y9)
N1744333: DR187.1 DU27.8(VOADJ)
N1747283: DR189.1 DU29.9(TT)
N1747323: DR190.1 DU30.9(TT)
N1747480: DR186.1 DU28.9(TT)
N1747548: DR185.1 DU27.9(TT)
N1747596: DR181.1 DU26.9(TT)
N1747646: DR180.1 DU25.9(TT)
N1749262: DC280.1 DU31.4(CT)
N1753973: DC282.1 DR195.2 DR197.1 DU34.1(REFIN)
N1754127: DR198.2 DU34.9(PGOOD) Q2.1(GATE)
N1755407: DR200.2 DU33.9(PG) Q1.1(GATE)
N1755509: DR204.2 DU35.9(PG) Q3.1(GATE)
N1755553: DR196.2 DR199.1 DU33.16(FB/SNS)
N1755557: DR202.2 DR203.1 DU35.16(FB/SNS)
N1755573: DC290.1 DU33.15(SS)
N1755923: DC303.1 DU35.15(SS)
N2344799: DR99.1 DR102.1 DU7.15(DQ0)
N2344825: DR100.1 DR104.1 DU7.9(DQ2_VPP_WP_B)
N2344863: DR98.1 DR101.2 DU7.1(DQ3_HOLD_B)
N2344889: DR96.1 DR103.2 DU7.8(DQ1)
N2421672: DD29.1(CATHODE) DR211.1
N2425601: DU4.P28(IO_L12P_T1_MRCC_15)
N2425607: DU4.P29(IO_L12N_T1_MRCC_15)
N2425959: DU4.K28(IO_L11N_T1_SRCC_16)
N2425965: DU4.H28(IO_L12N_T1_MRCC_16)
N2425971: DU4.J28(IO_L12P_T1_MRCC_16)
N2425977: DU4.L28(IO_L11P_T1_SRCC_16)
N2425983: DU4.H29(IO_L13N_T2_MRCC_16)
N2425989: DU4.J29(IO_L13P_T2_MRCC_16)
N2425995: DU4.J30(IO_L14N_T2_SRCC_16)
N2426001: DU4.G29(IO_L15P_T2_DQS_16)
N2426007: DU4.G30(IO_L15N_T2_DQS_16)
N2426013: DU4.K30(IO_L14P_T2_SRCC_16)
N2426115: DU4.R32(IO_L19N_T3_A21_VREF_15)
N2426121: DU4.N32(IO_L20P_T3_A20_15)
